# KiCad board keyboard.kicad_pcb (continued)
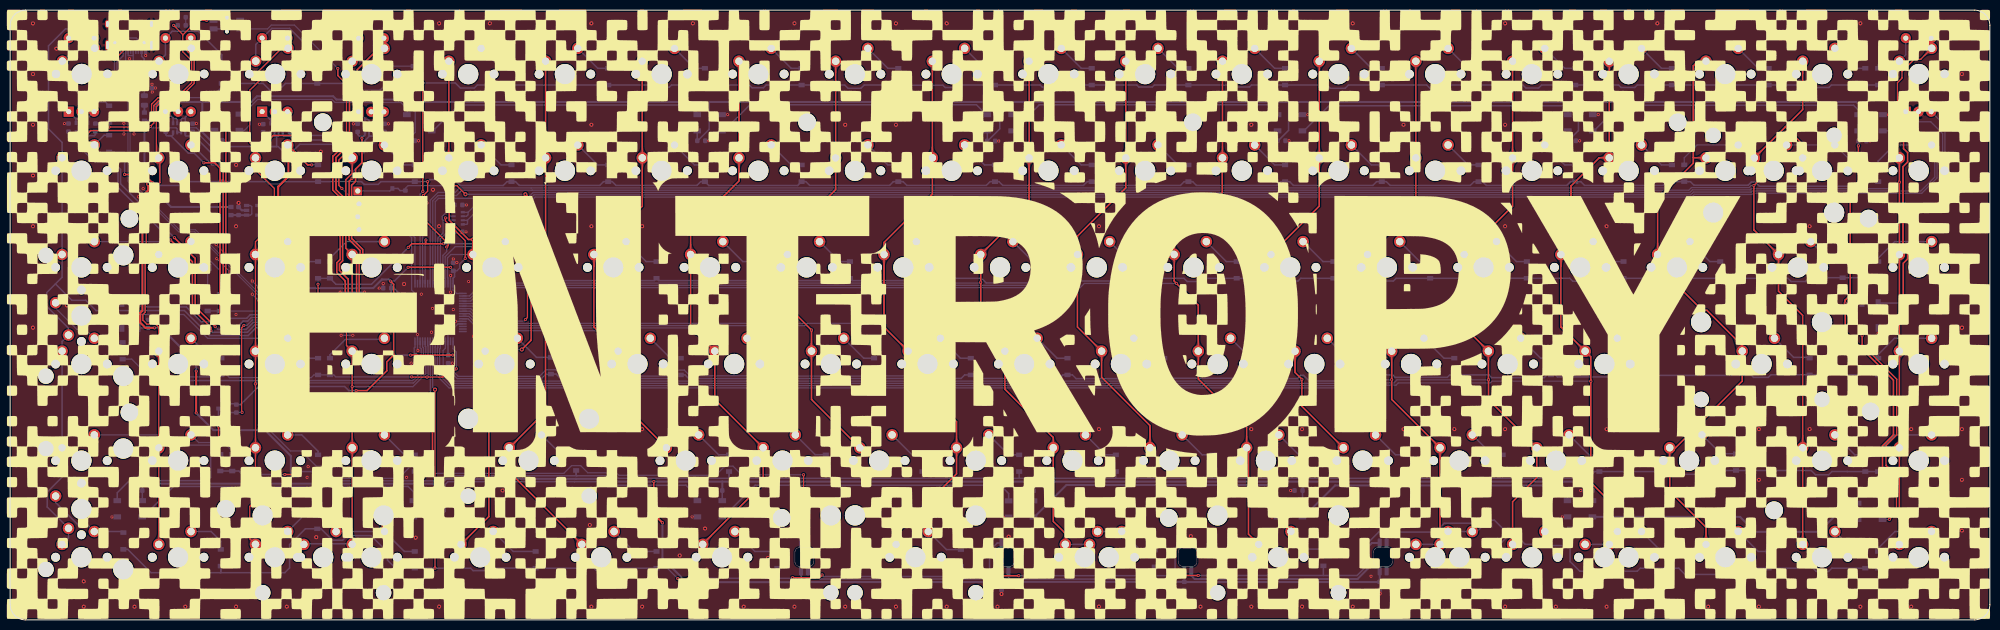
[diagram p0: board, top side]
## Copper pours and planes (outline as drawn; the poured copper is in the pictures) (continued)
/col15 on Top: 291.37,50.62 291.37,50.81 291.39,50.98 291.42,51.15 291.47,51.32 291.52,51.47 291.59,51.63 291.68,51.77 291.77,51.91 291.88,52.05 292,52.17 291.21,53.54 290.43,52.17 290.55,52.05 290.66,51.91 290.75,51.77 290.84,51.63 290.91,51.47 290.96,51.32 291.01,51.15 291.04,50.98 291.06,50.81 291.06,50.62
/col16 on Top: 315.18,107.77 315.18,107.96 315.2,108.13 315.23,108.3 315.28,108.47 315.34,108.62 315.41,108.78 315.49,108.92 315.59,109.06 315.69,109.2 315.81,109.32 315.03,110.69 314.24,109.32 314.36,109.2 314.47,109.06 314.57,108.92 314.65,108.78 314.72,108.62 314.78,108.47 314.82,108.3 314.85,108.13 314.87,107.96 314.88,107.77
/col16 on Top: 314.88,93.43 314.87,93.25 314.85,93.07 314.82,92.9 314.78,92.74 314.72,92.58 314.65,92.43 314.57,92.28 314.47,92.14 314.36,92.01 314.24,91.88 315.03,90.52 315.81,91.88 315.69,92.01 315.59,92.14 315.49,92.28 315.41,92.43 315.34,92.58 315.28,92.74 315.23,92.9 315.2,93.07 315.18,93.25 315.18,93.43
/col16 on Top: 313.03,90.93 313.14,90.92 313.26,90.9 313.38,90.87 313.49,90.83 313.61,90.77 313.73,90.7 313.85,90.62 313.98,90.52 314.1,90.41 314.22,90.29 315.59,91.08 314.22,91.86 314.1,91.74 313.98,91.64 313.85,91.54 313.73,91.46 313.61,91.39 313.49,91.33 313.38,91.28 313.26,91.25 313.14,91.23 313.03,91.23
/col16 on Top: 307.06,73.8 306.93,73.67 306.79,73.56 306.65,73.47 306.5,73.38 306.35,73.31 306.19,73.25 306.03,73.21 305.86,73.18 305.69,73.16 305.51,73.15 305.1,71.63 306.63,72.04 306.63,72.21 306.65,72.39 306.68,72.55 306.73,72.71 306.78,72.87 306.86,73.02 306.94,73.17 307.04,73.31 307.15,73.45 307.27,73.59
/col16 on Top: 308.49,54.54 308.62,54.4 308.73,54.26 308.83,54.12 308.91,53.97 308.98,53.82 309.04,53.66 309.09,53.5 309.12,53.34 309.14,53.16 309.14,52.99 310.66,52.58 310.25,54.1 310.08,54.11 309.91,54.13 309.74,54.16 309.58,54.2 309.42,54.26 309.27,54.33 309.12,54.42 308.98,54.51 308.84,54.62 308.71,54.75
/col16 on Top: 305.65,69.67 305.66,69.86 305.68,70.03 305.71,70.2 305.75,70.37 305.81,70.52 305.88,70.68 305.96,70.82 306.06,70.96 306.17,71.1 306.29,71.22 305.5,72.59 304.71,71.22 304.84,71.1 304.94,70.96 305.04,70.82 305.12,70.68 305.19,70.52 305.25,70.37 305.3,70.2 305.33,70.03 305.35,69.86 305.35,69.67
/col16 on Top: 311.5,51.96 311.47,51.99 311.46,52.04 311.44,52.1 311.42,52.18 311.41,52.27 311.4,52.38 311.4,52.5 311.39,52.64 311.39,52.8 311.39,52.97 309.87,53.38 310.28,51.85 310.45,51.85 310.6,51.85 310.74,51.85 310.87,51.84 310.97,51.83 311.07,51.82 311.14,51.8 311.21,51.79 311.25,51.77 311.28,51.75
/col16 on Top: 314.88,17.23 314.87,17.05 314.85,16.87 314.82,16.7 314.78,16.54 314.72,16.38 314.65,16.23 314.57,16.08 314.47,15.94 314.36,15.81 314.24,15.68 315.03,14.31 315.81,15.68 315.69,15.81 315.59,15.94 315.49,16.08 315.41,16.23 315.34,16.38 315.28,16.54 315.23,16.7 315.2,16.87 315.18,17.05 315.18,17.23
/col16 on Bottom: 312.67,14.73 312.86,14.72 313.03,14.7 313.2,14.67 313.37,14.63 313.52,14.57 313.68,14.5 313.82,14.42 313.96,14.32 314.1,14.21 314.22,14.09 315.59,14.88 314.22,15.66 314.1,15.54 313.96,15.44 313.82,15.34 313.68,15.26 313.52,15.19 313.37,15.13 313.2,15.08 313.03,15.05 312.86,15.03 312.67,15.03
/col16 on Bottom: 312.62,15.03 312.44,15.03 312.26,15.05 312.09,15.08 311.93,15.13 311.77,15.19 311.62,15.26 311.47,15.34 311.33,15.44 311.2,15.54 311.07,15.66 309.7,14.88 311.07,14.09 311.2,14.21 311.33,14.32 311.47,14.42 311.62,14.5 311.77,14.57 311.93,14.63 312.09,14.67 312.26,14.7 312.44,14.72 312.62,14.73
/col17 on Top: 339.45,55.62 339.58,55.28 339.69,54.96 339.78,54.65 339.87,54.37 339.94,54.09 340,53.84 340.04,53.6 340.07,53.38 340.09,53.18 340.1,52.99 341.62,52.58 341.21,54.1 341.03,54.12 340.86,54.17 340.7,54.25 340.53,54.38 340.38,54.53 340.22,54.72 340.08,54.95 339.93,55.21 339.8,55.5 339.66,55.84
/col17 on Top: 324.7,69.83 324.71,69.98 324.73,70.13 324.76,70.28 324.8,70.42 324.86,70.56 324.93,70.7 325.01,70.84 325.11,70.97 325.22,71.1 325.34,71.22 324.55,72.59 323.76,71.22 323.89,71.1 323.99,70.97 324.09,70.84 324.17,70.7 324.24,70.56 324.3,70.42 324.35,70.28 324.38,70.13 324.4,69.98 324.4,69.83
/col17 on Top: 327.08,31.57 327.09,31.76 327.11,31.93 327.14,32.1 327.19,32.27 327.24,32.42 327.31,32.58 327.4,32.72 327.49,32.86 327.6,33 327.72,33.12 326.93,34.49 326.15,33.12 326.27,33 326.38,32.86 326.47,32.72 326.55,32.58 326.62,32.42 326.68,32.27 326.73,32.1 326.76,31.93 326.78,31.76 326.78,31.57
/col17 on Top: 333.93,17.23 333.92,17.05 333.9,16.87 333.87,16.7 333.83,16.54 333.77,16.38 333.7,16.23 333.62,16.08 333.52,15.94 333.41,15.81 333.29,15.68 334.08,14.31 334.87,15.68 334.74,15.81 334.64,15.94 334.54,16.08 334.46,16.23 334.39,16.38 334.33,16.54 334.28,16.7 334.25,16.87 334.23,17.05 334.23,17.23
/col17 on Top: 341.37,50.62 341.38,50.81 341.4,50.98 341.43,51.15 341.47,51.32 341.53,51.47 341.6,51.63 341.68,51.77 341.78,51.91 341.89,52.05 342.01,52.17 341.22,53.54 340.43,52.17 340.55,52.05 340.66,51.91 340.76,51.77 340.84,51.63 340.91,51.47 340.97,51.32 341.01,51.15 341.05,50.98 341.06,50.81 341.07,50.62
/col17 on Top: 332.49,109.98 332.52,109.97 332.57,109.95 332.63,109.92 332.69,109.88 332.76,109.82 332.85,109.75 332.94,109.67 333.04,109.57 333.15,109.46 333.27,109.34 334.64,110.13 333.27,110.91 333.15,110.79 333.04,110.69 332.94,110.59 332.85,110.51 332.76,110.44 332.69,110.38 332.63,110.33 332.57,110.3 332.52,110.28 332.49,110.28
/col17 on Top: 324.4,74.38 324.4,74.2 324.38,74.02 324.35,73.85 324.3,73.69 324.24,73.53 324.17,73.38 324.09,73.23 323.99,73.09 323.89,72.96 323.76,72.83 324.55,71.47 325.34,72.83 325.22,72.96 325.11,73.09 325.01,73.23 324.93,73.38 324.86,73.53 324.8,73.69 324.76,73.85 324.73,74.02 324.71,74.2 324.7,74.38
/col17 on Top: 331.66,90.95 331.85,90.95 332.04,90.93 332.21,90.89 332.38,90.85 332.55,90.79 332.7,90.71 332.86,90.63 333,90.53 333.14,90.42 333.27,90.29 334.64,91.08 333.27,91.86 333.14,91.74 333,91.63 332.86,91.53 332.7,91.44 332.55,91.37 332.38,91.31 332.21,91.26 332.04,91.23 331.85,91.21 331.66,91.2
/col18 on Top: 353.28,31.93 353.28,32.04 353.3,32.16 353.33,32.28 353.38,32.39 353.44,32.51 353.51,32.63 353.59,32.75 353.69,32.88 353.79,33 353.92,33.12 353.13,34.49 352.34,33.12 352.46,33 352.57,32.88 352.67,32.75 352.75,32.63 352.82,32.51 352.88,32.39 352.92,32.28 352.95,32.16 352.97,32.04 352.98,31.93
/col18 on Top: 352.98,17.23 352.97,17.05 352.95,16.87 352.92,16.7 352.88,16.54 352.82,16.38 352.75,16.23 352.67,16.08 352.57,15.94 352.46,15.81 352.34,15.68 353.13,14.31 353.92,15.68 353.79,15.81 353.69,15.94 353.59,16.08 353.51,16.23 353.44,16.38 353.38,16.54 353.33,16.7 353.3,16.87 353.28,17.05 353.28,17.23
/col18 on Top: 352.98,36.28 352.97,36.1 352.95,35.92 352.92,35.75 352.88,35.59 352.82,35.43 352.75,35.28 352.67,35.13 352.57,34.99 352.46,34.86 352.34,34.73 353.13,33.36 353.92,34.73 353.79,34.86 353.69,34.99 353.59,35.13 353.51,35.28 353.44,35.43 353.38,35.59 353.33,35.75 353.3,35.92 353.28,36.1 353.28,36.28
/col18 on Top: 348.51,69.67 348.52,69.86 348.54,70.03 348.57,70.2 348.62,70.37 348.67,70.52 348.74,70.68 348.83,70.82 348.92,70.96 349.03,71.1 349.15,71.22 348.37,72.59 347.58,71.22 347.7,71.1 347.81,70.96 347.9,70.82 347.99,70.68 348.06,70.52 348.11,70.37 348.16,70.2 348.19,70.03 348.21,69.86 348.21,69.67
/col18 on Top: 353.28,107.77 353.28,107.96 353.3,108.13 353.33,108.3 353.38,108.47 353.44,108.62 353.51,108.78 353.59,108.92 353.69,109.06 353.79,109.2 353.92,109.32 353.13,110.69 352.34,109.32 352.46,109.2 352.57,109.06 352.67,108.92 352.75,108.78 352.82,108.62 352.88,108.47 352.92,108.3 352.95,108.13 352.97,107.96 352.98,107.77
/col18 on Top: 346.59,73.59 346.72,73.45 346.83,73.31 346.93,73.17 347.01,73.02 347.08,72.87 347.14,72.71 347.19,72.55 347.22,72.39 347.24,72.21 347.24,72.04 348.76,71.63 348.35,73.15 348.18,73.16 348.01,73.18 347.84,73.21 347.68,73.25 347.52,73.31 347.37,73.38 347.22,73.47 347.08,73.56 346.94,73.67 346.81,73.8
/col18 on Top: 353,93.49 353,93.3 352.98,93.12 352.94,92.94 352.9,92.77 352.84,92.61 352.76,92.45 352.68,92.3 352.58,92.15 352.47,92.01 352.34,91.88 353.13,90.52 353.92,91.88 353.79,92.01 353.68,92.15 353.58,92.3 353.49,92.45 353.42,92.61 353.36,92.77 353.31,92.94 353.28,93.12 353.26,93.3 353.25,93.49
/col18 on Top: 345.16,92.85 345.03,92.72 344.89,92.61 344.75,92.52 344.6,92.43 344.45,92.36 344.29,92.3 344.13,92.26 343.96,92.23 343.79,92.21 343.61,92.2 343.2,90.68 344.73,91.09 344.73,91.26 344.75,91.44 344.78,91.6 344.83,91.76 344.88,91.92 344.96,92.07 345.04,92.22 345.14,92.36 345.25,92.5 345.37,92.64
/col19 on Top: 372.03,55.33 372.02,55.15 372,54.97 371.97,54.8 371.93,54.64 371.87,54.48 371.8,54.33 371.72,54.18 371.62,54.04 371.51,53.91 371.39,53.78 372.18,52.41 372.96,53.78 372.84,53.91 372.74,54.04 372.64,54.18 372.56,54.33 372.49,54.48 372.43,54.64 372.38,54.8 372.35,54.97 372.33,55.15 372.33,55.33
/col19 on Top: 372.33,69.67 372.33,69.86 372.35,70.03 372.38,70.2 372.43,70.37 372.49,70.52 372.56,70.68 372.64,70.82 372.74,70.96 372.84,71.1 372.96,71.22 372.18,72.59 371.39,71.22 371.51,71.1 371.62,70.96 371.72,70.82 371.8,70.68 371.87,70.52 371.93,70.37 371.97,70.2 372,70.03 372.02,69.86 372.03,69.67
/col19 on Top: 372.03,36.28 372.02,36.1 372,35.92 371.97,35.75 371.93,35.59 371.87,35.43 371.8,35.28 371.72,35.13 371.62,34.99 371.51,34.86 371.39,34.73 372.18,33.36 372.96,34.73 372.84,34.86 372.74,34.99 372.64,35.13 372.56,35.28 372.49,35.43 372.43,35.59 372.38,35.75 372.35,35.92 372.33,36.1 372.33,36.28
/col19 on Top: 372.33,50.62 372.33,50.81 372.35,50.98 372.38,51.15 372.43,51.32 372.49,51.47 372.56,51.63 372.64,51.77 372.74,51.91 372.84,52.05 372.96,52.17 372.18,53.54 371.39,52.17 371.51,52.05 371.62,51.91 371.72,51.77 371.8,51.63 371.87,51.47 371.93,51.32 371.97,51.15 372,50.98 372.02,50.81 372.03,50.62
/col19 on Top: 372.33,88.72 372.33,88.91 372.35,89.08 372.38,89.25 372.43,89.42 372.49,89.57 372.56,89.73 372.64,89.87 372.74,90.01 372.84,90.15 372.96,90.27 372.18,91.64 371.39,90.27 371.51,90.15 371.62,90.01 371.72,89.87 371.8,89.73 371.87,89.57 371.93,89.42 371.97,89.25 372,89.08 372.02,88.91 372.03,88.72
/col19 on Top: 372.03,74.38 372.02,74.2 372,74.02 371.97,73.85 371.93,73.69 371.87,73.53 371.8,73.38 371.72,73.23 371.62,73.09 371.51,72.96 371.39,72.83 372.18,71.47 372.96,72.83 372.84,72.96 372.74,73.09 372.64,73.23 372.56,73.38 372.49,73.53 372.43,73.69 372.38,73.85 372.35,74.02 372.33,74.2 372.33,74.38
/col19 on Top: 372.33,31.57 372.33,31.76 372.35,31.93 372.38,32.1 372.43,32.27 372.49,32.42 372.56,32.58 372.64,32.72 372.74,32.86 372.84,33 372.96,33.12 372.18,34.49 371.39,33.12 371.51,33 371.62,32.86 371.72,32.72 371.8,32.58 371.87,32.42 371.93,32.27 371.97,32.1 372,31.93 372.02,31.76 372.03,31.57
/col19 on Top: 372.03,17.23 372.02,17.05 372,16.87 371.97,16.7 371.93,16.54 371.87,16.38 371.8,16.23 371.72,16.08 371.62,15.94 371.51,15.81 371.39,15.68 372.18,14.31 372.96,15.68 372.84,15.81 372.74,15.94 372.64,16.08 372.56,16.23 372.49,16.38 372.43,16.54 372.38,16.7 372.35,16.87 372.33,17.05 372.33,17.23
/col19 on Top: 371.68,93.87 371.74,93.61 371.78,93.36 371.81,93.13 371.81,92.91 371.79,92.7 371.75,92.51 371.69,92.33 371.61,92.17 371.51,92.02 371.39,91.88 372.18,90.52 372.96,91.88 372.84,92.02 372.71,92.17 372.59,92.33 372.48,92.51 372.37,92.7 372.27,92.91 372.18,93.13 372.09,93.36 372,93.61 371.93,93.87
/col19 on Top: 376.96,110.93 377.1,111.05 377.24,111.17 377.38,111.26 377.53,111.35 377.69,111.42 377.85,111.48 378.01,111.53 378.18,111.56 378.35,111.58 378.53,111.58 378.93,113.07 377.44,112.67 377.44,112.49 377.42,112.32 377.39,112.15 377.34,111.99 377.28,111.83 377.21,111.67 377.12,111.52 377.03,111.38 376.91,111.24 376.79,111.1
/col19 on Bottom: 378.56,112.78 378.57,112.9 378.59,113.03 378.62,113.15 378.66,113.27 378.71,113.39 378.77,113.51 378.85,113.62 378.93,113.74 379.03,113.85 379.14,113.97 378.44,115.18 377.74,113.97 377.85,113.85 377.95,113.74 378.03,113.62 378.11,113.51 378.17,113.39 378.22,113.27 378.26,113.15 378.29,113.03 378.31,112.9 378.31,112.78
/col19 on Bottom: 378.31,114.68 378.33,114.56 378.33,114.45 378.31,114.33 378.28,114.21 378.23,114.09 378.17,113.96 378.09,113.84 378,113.72 377.89,113.59 377.77,113.47 378.54,112.13 379.31,113.47 379.19,113.59 379.07,113.72 378.97,113.84 378.88,113.96 378.8,114.09 378.73,114.21 378.67,114.33 378.63,114.45 378.59,114.56 378.56,114.68
/ENC0_A on Bottom: 13.06,98.88 12.96,98.99 12.87,99.1 12.79,99.22 12.72,99.34 12.66,99.47 12.62,99.6 12.58,99.74 12.56,99.88 12.54,100.03 12.54,100.18 11.18,100.54 11.55,99.19 11.7,99.18 11.85,99.17 11.99,99.14 12.12,99.11 12.26,99.06 12.38,99 12.51,98.94 12.62,98.86 12.74,98.77 12.84,98.67
/ENC0_B on Bottom: 15.46,98.89 15.52,98.95 15.6,99 15.68,99.05 15.77,99.09 15.87,99.12 15.99,99.14 16.11,99.16 16.24,99.18 16.38,99.19 16.53,99.19 16.89,100.54 15.54,100.18 15.54,100.03 15.53,99.89 15.51,99.76 15.49,99.64 15.47,99.52 15.44,99.42 15.4,99.33 15.35,99.25 15.3,99.17 15.24,99.11
/ENC1_A on Bottom: 32.21,99.06 32.09,99.13 31.98,99.21 31.89,99.3 31.81,99.4 31.74,99.51 31.68,99.63 31.64,99.75 31.61,99.89 31.59,100.03 31.59,100.18 30.23,100.54 30.6,99.19 30.75,99.19 30.9,99.18 31.05,99.16 31.19,99.14 31.33,99.11 31.47,99.07 31.61,99.02 31.74,98.97 31.87,98.91 31.99,98.84
/ENC1_B on Bottom: 34.61,98.99 34.65,99.03 34.71,99.07 34.78,99.1 34.86,99.12 34.95,99.14 35.05,99.16 35.17,99.17 35.29,99.18 35.43,99.19 35.58,99.19 35.94,100.54 34.59,100.18 34.59,100.03 34.58,99.89 34.57,99.77 34.56,99.65 34.54,99.55 34.52,99.46 34.5,99.38 34.47,99.31 34.43,99.25 34.39,99.21
/ENC2_A on Bottom: 51.19,98.84 51.09,98.96 50.99,99.08 50.91,99.2 50.83,99.33 50.77,99.46 50.72,99.59 50.68,99.73 50.66,99.88 50.64,100.03 50.64,100.18 49.28,100.54 49.65,99.19 49.8,99.18 49.95,99.17 50.09,99.14 50.23,99.1 50.37,99.05 50.5,98.99 50.63,98.92 50.75,98.83 50.87,98.74 50.98,98.63
/ENC2_B on Bottom: 53.81,99.14 53.82,99.15 53.86,99.16 53.9,99.17 53.96,99.18 54.04,99.18 54.13,99.18 54.23,99.19 54.35,99.19 54.48,99.19 54.63,99.19 54.99,100.54 53.64,100.18 53.64,100.03 53.64,99.9 53.64,99.78 53.63,99.68 53.63,99.59 53.63,99.51 53.62,99.45 53.61,99.41 53.6,99.37 53.59,99.36
/ENC3_A on Bottom: 70.01,99 69.93,99.08 69.87,99.17 69.81,99.27 69.76,99.37 69.72,99.48 69.68,99.6 69.66,99.73 69.64,99.86 69.63,100.01 69.63,100.16 68.27,100.52 68.64,99.17 68.79,99.17 68.93,99.15 69.07,99.14 69.19,99.11 69.31,99.08 69.42,99.03 69.53,98.99 69.62,98.93 69.71,98.86 69.79,98.79
/ENC3_B on Bottom: 72.41,98.73 72.5,98.82 72.6,98.89 72.7,98.96 72.81,99.02 72.93,99.06 73.05,99.1 73.19,99.13 73.32,99.15 73.47,99.16 73.62,99.17 73.98,100.52 72.63,100.16 72.62,100.01 72.61,99.86 72.59,99.73 72.56,99.59 72.52,99.47 72.48,99.35 72.42,99.24 72.35,99.14 72.28,99.04 72.19,98.95
/ENC4_A on Bottom: 375.02,98.77 374.91,98.89 374.81,99.02 374.72,99.15 374.65,99.28 374.58,99.42 374.53,99.56 374.49,99.71 374.46,99.86 374.44,100.01 374.44,100.17 373.09,100.53 373.45,99.18 373.61,99.18 373.76,99.16 373.91,99.13 374.06,99.09 374.2,99.04 374.34,98.97 374.47,98.9 374.6,98.81 374.73,98.71 374.85,98.6
/ENC4_B on Bottom: 380.02,98.77 379.91,98.89 379.81,99.02 379.72,99.15 379.65,99.28 379.58,99.42 379.53,99.56 379.49,99.71 379.46,99.86 379.44,100.01 379.44,100.17 378.09,100.53 378.45,99.18 378.61,99.18 378.76,99.16 378.91,99.13 379.06,99.09 379.2,99.04 379.34,98.97 379.47,98.9 379.6,98.81 379.73,98.71 379.85,98.6
/nRST on Bottom: 70.22,84.67 70.09,84.68 69.96,84.69 69.83,84.72 69.71,84.75 69.6,84.79 69.48,84.84 69.38,84.91 69.27,84.98 69.17,85.06 69.08,85.14 68.05,84.55 69.08,83.95 69.17,84.04 69.27,84.12 69.38,84.19 69.48,84.26 69.6,84.31 69.71,84.35 69.83,84.38 69.96,84.41 70.09,84.42 70.22,84.42
/SWDCLK on Top: 70.48,77.06 70.34,77.06 70.21,77.07 70.09,77.1 69.97,77.13 69.85,77.17 69.74,77.22 69.63,77.29 69.53,77.36 69.43,77.44 69.33,77.53 68.3,76.93 69.33,76.34 69.43,76.42 69.53,76.5 69.63,76.57 69.74,76.64 69.85,76.69 69.97,76.73 70.09,76.76 70.21,76.79 70.34,76.8 70.48,76.81
/SWDIO on Bottom: 70.05,80.86 69.96,80.96 69.88,81.06 69.81,81.17 69.75,81.27 69.69,81.39 69.65,81.5 69.62,81.62 69.59,81.75 69.58,81.87 69.58,82 68.43,82.31 68.74,81.16 68.87,81.16 68.99,81.14 69.11,81.12 69.23,81.09 69.35,81.04 69.46,80.99 69.57,80.93 69.68,80.86 69.78,80.78 69.88,80.68
Net-(D_0-Pad2) on Bottom: 11.43,111.5 11.37,111.45 11.3,111.41 11.22,111.37 11.12,111.34 11.02,111.31 10.9,111.28 10.77,111.27 10.62,111.25 10.47,111.25 10.3,111.25 9.9,109.76 11.39,110.16 11.39,110.33 11.39,110.48 11.41,110.63 11.42,110.76 11.45,110.88 11.48,110.98 11.51,111.08 11.55,111.16 11.59,111.23 11.64,111.29
Net-(D_0-Pad2) on Bottom: 10.85,107.44 10.78,107.7 10.73,107.94 10.7,108.17 10.69,108.38 10.7,108.58 10.73,108.76 10.78,108.93 10.85,109.09 10.94,109.23 11.06,109.36 10.29,110.7 9.52,109.36 9.64,109.23 9.76,109.09 9.87,108.93 9.98,108.76 10.09,108.58 10.19,108.38 10.28,108.17 10.38,107.94 10.47,107.7 10.55,107.44
Net-(D_0-Pad2) on Bottom: 11.69,112.64 11.69,112.79 11.71,112.94 11.74,113.09 11.78,113.23 11.82,113.37 11.89,113.5 11.96,113.63 12.04,113.75 12.13,113.86 12.24,113.97 11.54,115.19 10.84,113.97 10.94,113.86 11.04,113.75 11.12,113.63 11.19,113.5 11.25,113.37 11.3,113.23 11.34,113.09 11.37,112.94 11.38,112.79 11.39,112.64
Net-(D_1-Pad2) on Bottom: 30.48,111.5 30.42,111.45 30.35,111.41 30.27,111.37 30.17,111.34 30.07,111.31 29.95,111.28 29.82,111.27 29.67,111.25 29.52,111.25 29.35,111.25 28.95,109.76 30.44,110.16 30.44,110.33 30.44,110.48 30.46,110.63 30.47,110.76 30.5,110.88 30.53,110.98 30.56,111.08 30.6,111.16 30.64,111.23 30.69,111.29
Net-(D_1-Pad2) on Bottom: 30.74,112.64 30.74,112.79 30.76,112.94 30.79,113.09 30.83,113.23 30.87,113.37 30.94,113.5 31.01,113.63 31.09,113.75 31.18,113.86 31.29,113.97 30.59,115.19 29.89,113.97 29.99,113.86 30.09,113.75 30.17,113.63 30.24,113.5 30.3,113.37 30.35,113.23 30.39,113.09 30.42,112.94 30.43,112.79 30.44,112.64
Net-(D_1-Pad2) on Bottom: 31.83,116.14 31.74,116.06 31.63,115.98 31.53,115.91 31.41,115.85 31.29,115.8 31.16,115.76 31.03,115.73 30.89,115.7 30.75,115.69 30.6,115.69 30.23,114.33 31.59,114.7 31.59,114.85 31.6,114.99 31.63,115.13 31.66,115.26 31.7,115.39 31.75,115.51 31.81,115.63 31.88,115.73 31.96,115.84 32.04,115.93
Net-(D_2-Pad2) on Bottom: 48.49,113.33 48.57,113.4 48.66,113.46 48.75,113.52 48.85,113.56 48.96,113.6 49.08,113.63 49.2,113.66 49.34,113.68 49.48,113.69 49.63,113.69 49.99,115.04 48.64,114.68 48.64,114.53 48.63,114.39 48.61,114.25 48.58,114.13 48.55,114.01 48.51,113.9 48.47,113.8 48.41,113.71 48.35,113.62 48.28,113.54
Net-(D_2-Pad2) on Bottom: 48.24,112.44 48.23,112.26 48.21,112.09 48.18,111.93 48.14,111.77 48.08,111.61 48.01,111.47 47.93,111.32 47.84,111.19 47.74,111.06 47.62,110.93 48.39,109.6 49.16,110.93 49.04,111.06 48.93,111.19 48.84,111.32 48.76,111.47 48.69,111.61 48.64,111.77 48.59,111.93 48.56,112.09 48.54,112.26 48.54,112.44
Net-(D_2-Pad2) on Bottom: 50.98,116.24 50.87,116.14 50.75,116.04 50.63,115.96 50.5,115.88 50.37,115.82 50.23,115.77 50.09,115.73 49.95,115.71 49.8,115.69 49.65,115.69 49.28,114.33 50.64,114.7 50.64,114.85 50.66,115 50.68,115.14 50.72,115.28 50.77,115.42 50.83,115.55 50.91,115.68 50.99,115.8 51.09,115.92 51.19,116.03
Net-(D_3-Pad2) on Bottom: 68.78,112.62 68.78,112.77 68.8,112.92 68.83,113.07 68.87,113.21 68.91,113.35 68.98,113.48 69.05,113.61 69.13,113.73 69.22,113.84 69.33,113.95 68.63,115.17 67.93,113.95 68.03,113.84 68.13,113.73 68.21,113.61 68.28,113.48 68.34,113.35 68.39,113.21 68.43,113.07 68.46,112.92 68.47,112.77 68.48,112.62
Net-(D_3-Pad2) on Bottom: 68.52,111.48 68.46,111.43 68.39,111.39 68.31,111.35 68.21,111.32 68.11,111.29 67.99,111.26 67.86,111.25 67.71,111.23 67.56,111.23 67.39,111.23 66.99,109.74 68.48,110.14 68.48,110.31 68.48,110.46 68.5,110.61 68.51,110.74 68.54,110.86 68.57,110.96 68.6,111.06 68.64,111.14 68.68,111.21 68.73,111.27
Net-(D_3-Pad2) on Bottom: 69.73,110.25 69.55,110.26 69.37,110.28 69.2,110.31 69.03,110.36 68.87,110.41 68.72,110.48 68.57,110.57 68.43,110.67 68.29,110.77 68.16,110.9 66.83,110.13 68.16,109.36 68.29,109.48 68.43,109.59 68.57,109.69 68.72,109.77 68.87,109.84 69.03,109.9 69.2,109.94 69.37,109.98 69.55,110 69.73,110
Net-(D_4-Pad2) on Bottom: 94.55,111.11 94.42,111.24 94.31,111.38 94.22,111.52 94.13,111.67 94.06,111.82 94,111.98 93.96,112.14 93.93,112.31 93.91,112.48 93.9,112.66 92.38,113.07 92.79,111.54 92.96,111.54 93.14,111.52 93.3,111.49 93.46,111.44 93.62,111.39 93.77,111.31 93.92,111.23 94.06,111.13 94.2,111.02 94.34,110.9
Net-(D_5-Pad2) on Bottom: 113.6,111.11 113.47,111.24 113.36,111.38 113.27,111.52 113.18,111.67 113.11,111.82 113.05,111.98 113.01,112.14 112.98,112.31 112.96,112.48 112.95,112.66 111.43,113.07 111.84,111.54 112.01,111.54 112.19,111.52 112.35,111.49 112.51,111.44 112.67,111.39 112.82,111.31 112.97,111.23 113.11,111.13 113.25,111.02 113.39,110.9
Net-(D_6-Pad2) on Bottom: 132.65,111.11 132.52,111.24 132.41,111.38 132.32,111.52 132.23,111.67 132.16,111.82 132.1,111.98 132.06,112.14 132.03,112.31 132.01,112.48 132,112.66 130.48,113.07 130.89,111.54 131.06,111.54 131.24,111.52 131.4,111.49 131.56,111.44 131.72,111.39 131.87,111.31 132.02,111.23 132.16,111.13 132.3,111.02 132.44,110.9
Net-(D_7-Pad2) on Bottom: 151.7,111.11 151.57,111.24 151.46,111.38 151.37,111.52 151.28,111.67 151.21,111.82 151.15,111.98 151.11,112.14 151.08,112.31 151.06,112.48 151.05,112.66 149.53,113.07 149.94,111.54 150.11,111.54 150.29,111.52 150.45,111.49 150.61,111.44 150.77,111.39 150.92,111.31 151.07,111.23 151.21,111.13 151.35,111.02 151.49,110.9
Net-(D_8-Pad2) on Bottom: 170.75,111.11 170.62,111.24 170.51,111.38 170.42,111.52 170.33,111.67 170.26,111.82 170.2,111.98 170.16,112.14 170.13,112.31 170.11,112.48 170.1,112.66 168.58,113.07 168.99,111.54 169.16,111.54 169.34,111.52 169.5,111.49 169.66,111.44 169.82,111.39 169.97,111.31 170.12,111.23 170.26,111.13 170.4,111.02 170.54,110.9
Net-(D_9-Pad2) on Bottom: 189.8,111.11 189.67,111.24 189.56,111.38 189.47,111.52 189.38,111.67 189.31,111.82 189.25,111.98 189.21,112.14 189.18,112.31 189.16,112.48 189.15,112.66 187.63,113.07 188.04,111.54 188.21,111.54 188.39,111.52 188.55,111.49 188.71,111.44 188.87,111.39 189.02,111.31 189.17,111.23 189.31,111.13 189.45,111.02 189.59,110.9
Net-(D_10-Pad2) on Bottom: 208.85,111.11 208.72,111.24 208.61,111.38 208.52,111.52 208.43,111.67 208.36,111.82 208.3,111.98 208.26,112.14 208.23,112.31 208.21,112.48 208.2,112.66 206.68,113.07 207.09,111.54 207.26,111.54 207.44,111.52 207.6,111.49 207.76,111.44 207.92,111.39 208.07,111.31 208.22,111.23 208.36,111.13 208.5,111.02 208.64,110.9
Net-(D_11-Pad2) on Bottom: 227.9,111.11 227.77,111.24 227.66,111.38 227.57,111.52 227.48,111.67 227.41,111.82 227.35,111.98 227.31,112.14 227.28,112.31 227.26,112.48 227.25,112.66 225.73,113.07 226.14,111.54 226.31,111.54 226.49,111.52 226.65,111.49 226.81,111.44 226.97,111.39 227.12,111.31 227.27,111.23 227.41,111.13 227.55,111.02 227.69,110.9
Net-(D_12-Pad2) on Bottom: 246.95,111.11 246.82,111.24 246.71,111.38 246.62,111.52 246.53,111.67 246.46,111.82 246.4,111.98 246.36,112.14 246.33,112.31 246.31,112.48 246.3,112.66 244.78,113.07 245.19,111.54 245.36,111.54 245.54,111.52 245.7,111.49 245.86,111.44 246.02,111.39 246.17,111.31 246.32,111.23 246.46,111.13 246.6,111.02 246.74,110.9
Net-(D_13-Pad2) on Bottom: 266,111.11 265.87,111.24 265.76,111.38 265.67,111.52 265.58,111.67 265.51,111.82 265.45,111.98 265.41,112.14 265.38,112.31 265.36,112.48 265.35,112.66 263.83,113.07 264.24,111.54 264.41,111.54 264.59,111.52 264.75,111.49 264.91,111.44 265.07,111.39 265.22,111.31 265.37,111.23 265.51,111.13 265.65,111.02 265.79,110.9
Net-(D_14-Pad2) on Bottom: 285.05,111.11 284.92,111.24 284.81,111.38 284.72,111.52 284.63,111.67 284.56,111.82 284.5,111.98 284.46,112.14 284.43,112.31 284.41,112.48 284.4,112.66 282.88,113.07 283.29,111.54 283.46,111.54 283.64,111.52 283.8,111.49 283.96,111.44 284.12,111.39 284.27,111.31 284.42,111.23 284.56,111.13 284.7,111.02 284.84,110.9
Net-(D_15-Pad2) on Bottom: 304.1,111.11 303.97,111.24 303.86,111.38 303.77,111.52 303.68,111.67 303.61,111.82 303.55,111.98 303.51,112.14 303.48,112.31 303.46,112.48 303.45,112.66 301.93,113.07 302.34,111.54 302.51,111.54 302.69,111.52 302.85,111.49 303.01,111.44 303.17,111.39 303.32,111.31 303.47,111.23 303.61,111.13 303.75,111.02 303.89,110.9
Net-(D_16-Pad2) on Bottom: 323.15,111.11 323.02,111.24 322.91,111.38 322.82,111.52 322.73,111.67 322.66,111.82 322.6,111.98 322.56,112.14 322.53,112.31 322.51,112.48 322.5,112.66 320.98,113.07 321.39,111.54 321.56,111.54 321.74,111.52 321.9,111.49 322.06,111.44 322.22,111.39 322.37,111.31 322.52,111.23 322.66,111.13 322.8,111.02 322.94,110.9
Net-(D_17-Pad2) on Bottom: 342.2,111.11 342.07,111.24 341.96,111.38 341.87,111.52 341.78,111.67 341.71,111.82 341.65,111.98 341.61,112.14 341.58,112.31 341.56,112.48 341.55,112.66 340.03,113.07 340.44,111.54 340.61,111.54 340.79,111.52 340.95,111.49 341.11,111.44 341.27,111.39 341.42,111.31 341.57,111.23 341.71,111.13 341.85,111.02 341.99,110.9
